# KiCad board protoboard-6x4-breakout.kicad_pcb (continued)
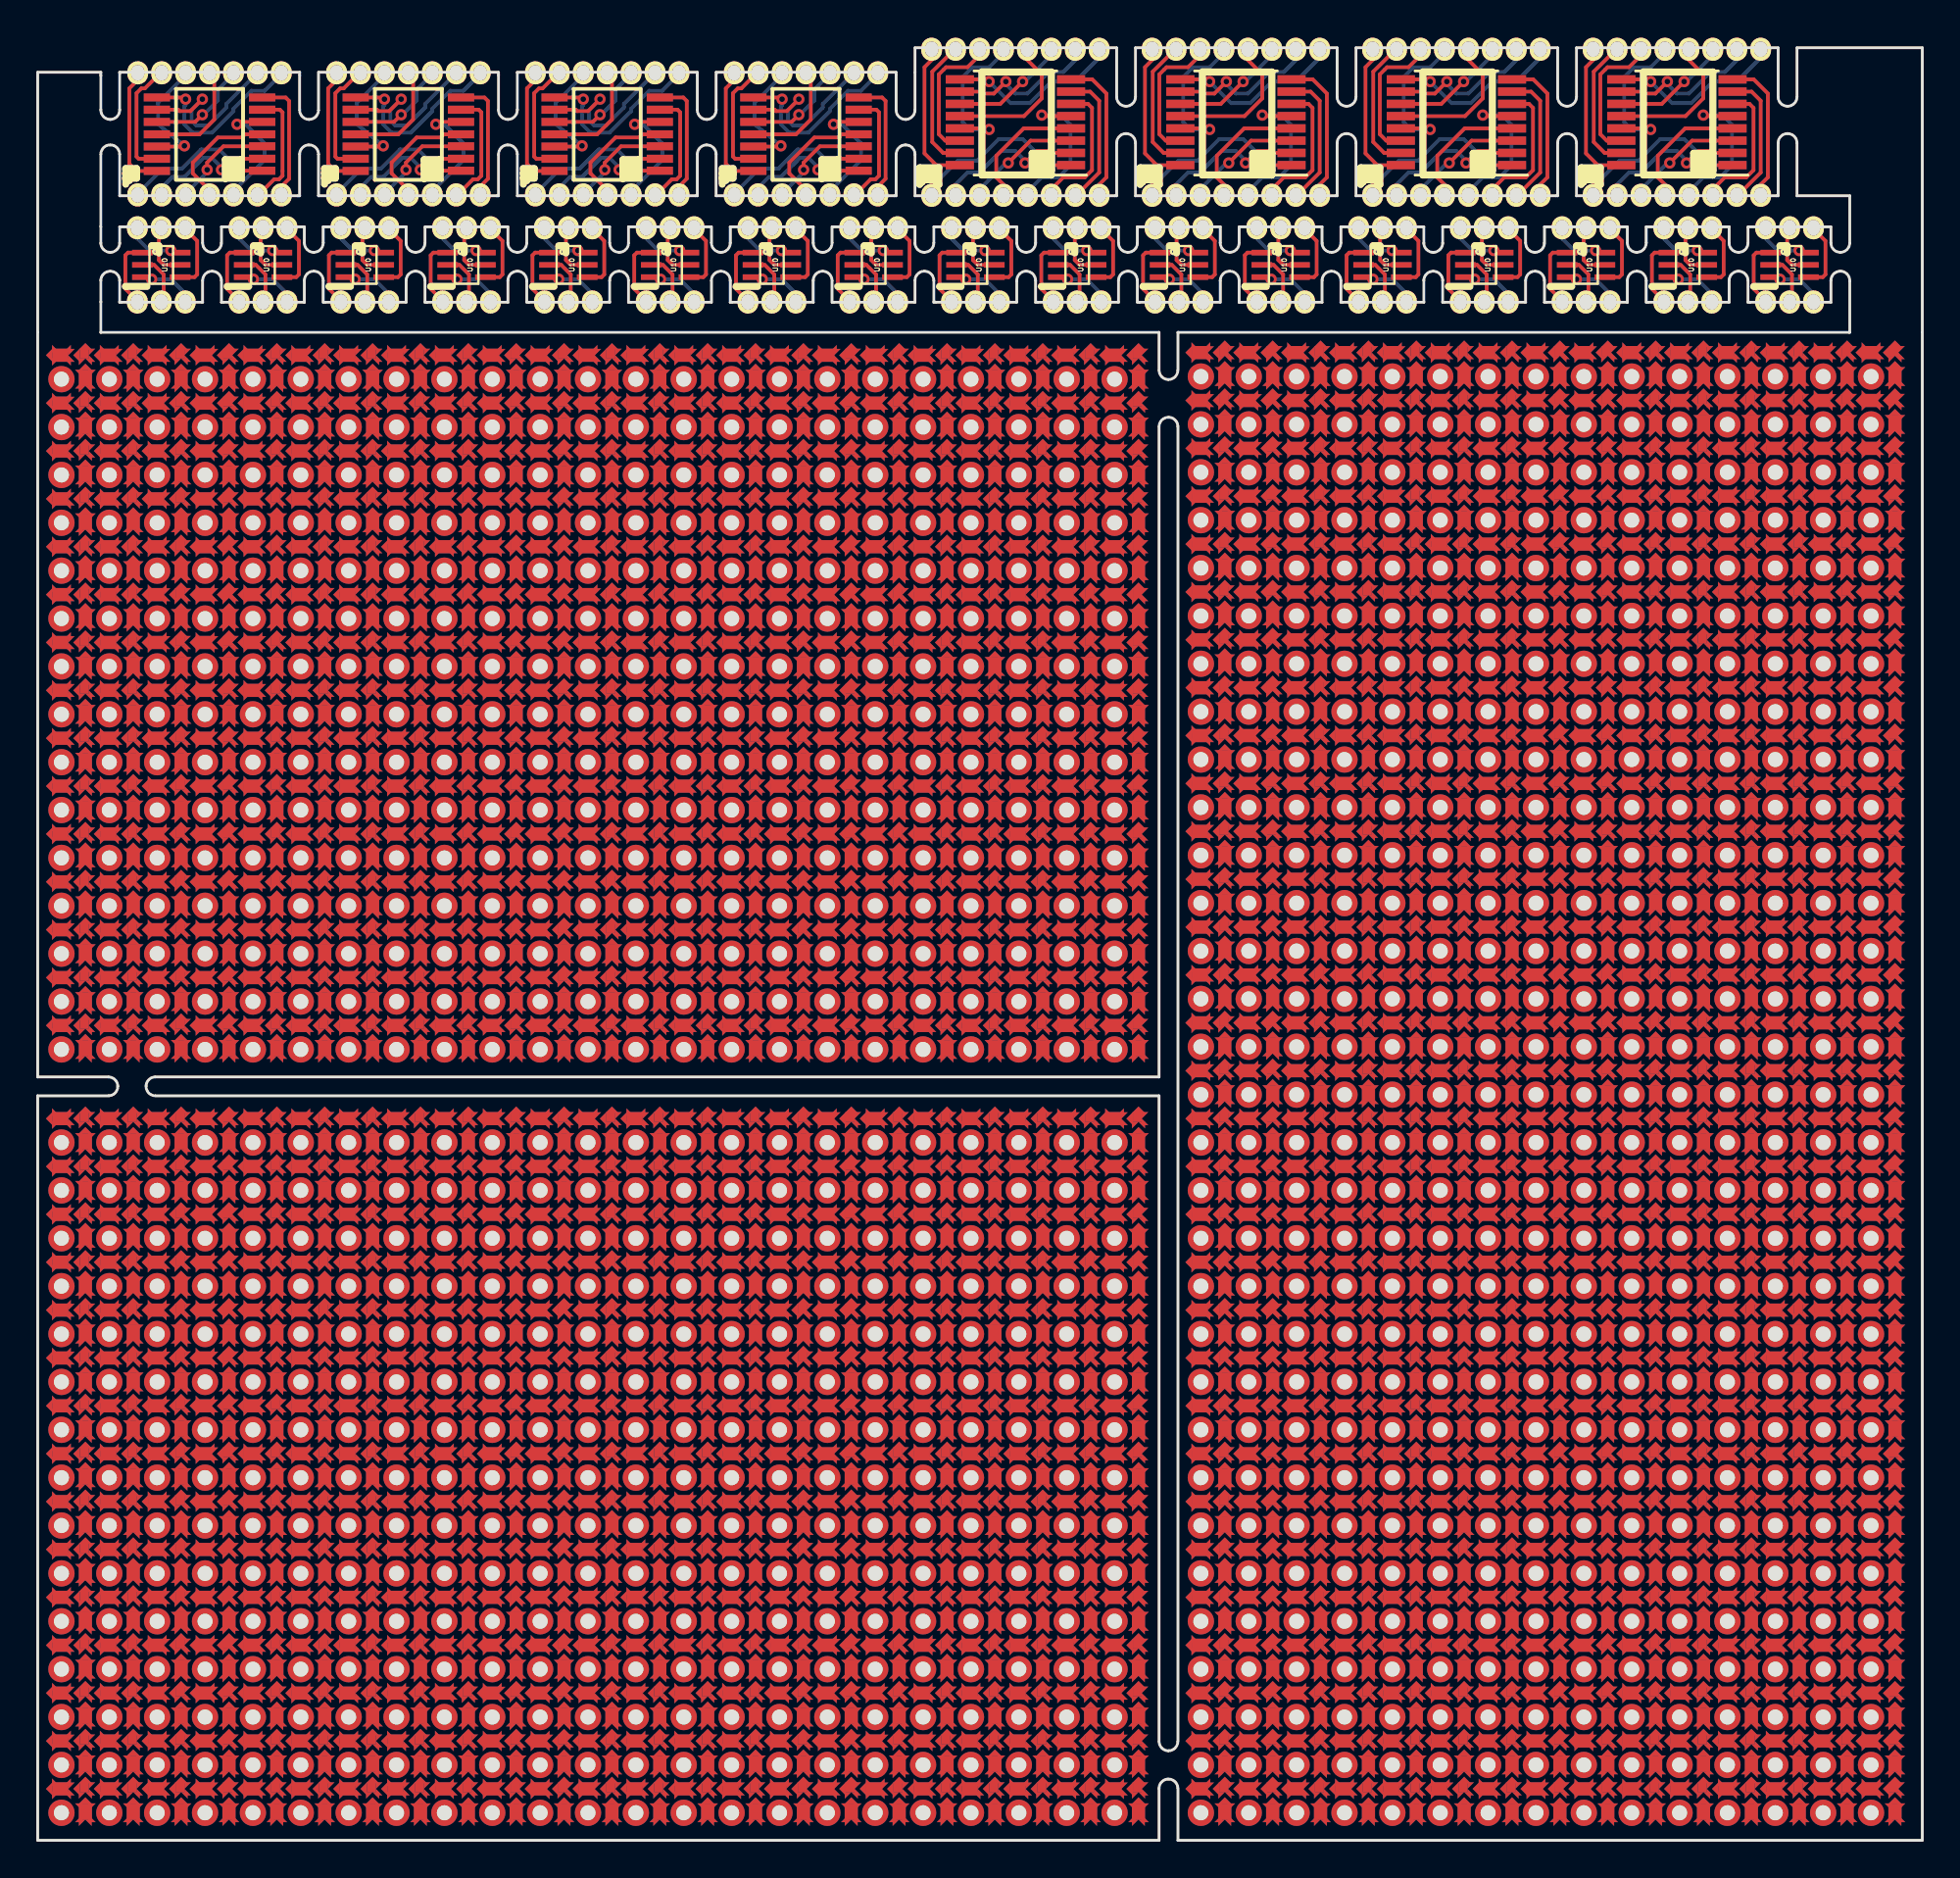
[diagram p0: board, top side]
## Placement (name value [footprint] x y rotation side) (continued)
REF**#3734  center-pad  [center-pad-spikes]  93.47 63.69 0 top
REF**#3735  pad-between  [pad-between-spiked]  93.47 62.42 0 top
REF**#3736  pad-between  [pad-between-spiked]  93.47 64.96 0 top
REF**#3737  pad-between  [pad-between-spiked]  94.74 63.69 90 top
REF**#3738  pad-between  [pad-between-spiked]  92.2 63.69 90 top
REF**#3739  -  [tht-0.8]  97.28 64.96 0 top
REF**#3740  -  [tht-0.8]  94.74 64.96 0 top
REF**#3741  -  [tht-0.8]  92.2 64.96 0 top
REF**#3742  -  [tht-0.8]  92.2 62.42 0 top
REF**#3743  -  [tht-0.8]  94.74 62.42 0 top
REF**#3744  -  [tht-0.8]  97.28 62.42 0 top
REF**#3745  -  [tht-0.8]  66.8 62.42 0 top
REF**#3746  -  [tht-0.8]  64.26 62.42 0 top
REF**#3747  -  [tht-0.8]  61.72 62.42 0 top
REF**#3748  -  [tht-0.8]  61.72 64.96 0 top
REF**#3749  -  [tht-0.8]  64.26 64.96 0 top
REF**#3750  -  [tht-0.8]  66.8 64.96 0 top
REF**#3751  pad-between  [pad-between-spiked]  61.72 63.69 90 top
REF**#3752  pad-between  [pad-between-spiked]  64.26 63.69 90 top
REF**#3753  pad-between  [pad-between-spiked]  62.99 64.96 0 top
REF**#3754  pad-between  [pad-between-spiked]  62.99 62.42 0 top
REF**#3755  center-pad  [center-pad-spikes]  62.99 63.69 0 top
REF**#3756  center-pad  [center-pad-spikes]  65.53 63.69 0 top
REF**#3757  pad-between  [pad-between-spiked]  65.53 62.42 0 top
REF**#3758  pad-between  [pad-between-spiked]  65.53 64.96 0 top
REF**#3759  pad-between  [pad-between-spiked]  66.8 63.69 90 top
REF**#3760  pad-between  [pad-between-spiked]  68.07 64.96 0 top
REF**#3761  pad-between  [pad-between-spiked]  68.07 62.42 0 top
REF**#3762  center-pad  [center-pad-spikes]  68.07 63.69 0 top
REF**#3763  center-pad  [center-pad-spikes]  68.07 66.23 0 top
REF**#3764  pad-between  [pad-between-spiked]  66.8 66.23 90 top
REF**#3765  center-pad  [center-pad-spikes]  65.53 66.23 0 top
REF**#3766  center-pad  [center-pad-spikes]  62.99 66.23 0 top
REF**#3767  pad-between  [pad-between-spiked]  64.26 66.23 90 top
REF**#3768  pad-between  [pad-between-spiked]  61.72 66.23 90 top
REF**#3769  pad-between  [pad-between-spiked]  69.34 66.23 90 top
REF**#3770  pad-between  [pad-between-spiked]  71.88 66.23 90 top
REF**#3771  center-pad  [center-pad-spikes]  70.61 66.23 0 top
REF**#3772  center-pad  [center-pad-spikes]  73.15 66.23 0 top
REF**#3773  pad-between  [pad-between-spiked]  74.42 66.23 90 top
REF**#3774  center-pad  [center-pad-spikes]  75.69 66.23 0 top
REF**#3775  center-pad  [center-pad-spikes]  75.69 63.69 0 top
REF**#3776  pad-between  [pad-between-spiked]  75.69 62.42 0 top
REF**#3777  pad-between  [pad-between-spiked]  75.69 64.96 0 top
REF**#3778  pad-between  [pad-between-spiked]  74.42 63.69 90 top
REF**#3779  pad-between  [pad-between-spiked]  73.15 64.96 0 top
REF**#3780  pad-between  [pad-between-spiked]  73.15 62.42 0 top
REF**#3781  center-pad  [center-pad-spikes]  73.15 63.69 0 top
REF**#3782  center-pad  [center-pad-spikes]  70.61 63.69 0 top
REF**#3783  pad-between  [pad-between-spiked]  70.61 62.42 0 top
REF**#3784  pad-between  [pad-between-spiked]  70.61 64.96 0 top
REF**#3785  pad-between  [pad-between-spiked]  71.88 63.69 90 top
REF**#3786  pad-between  [pad-between-spiked]  69.34 63.69 90 top
REF**#3787  -  [tht-0.8]  74.42 64.96 0 top
REF**#3788  -  [tht-0.8]  71.88 64.96 0 top
REF**#3789  -  [tht-0.8]  69.34 64.96 0 top
REF**#3790  -  [tht-0.8]  69.34 62.42 0 top
REF**#3791  -  [tht-0.8]  71.88 62.42 0 top
REF**#3792  -  [tht-0.8]  74.42 62.42 0 top
REF**#3793  -  [tht-0.8]  82.04 62.42 0 top
REF**#3794  -  [tht-0.8]  79.5 62.42 0 top
REF**#3795  -  [tht-0.8]  76.96 62.42 0 top
REF**#3796  -  [tht-0.8]  76.96 64.96 0 top
REF**#3797  -  [tht-0.8]  79.5 64.96 0 top
REF**#3798  -  [tht-0.8]  82.04 64.96 0 top
REF**#3799  pad-between  [pad-between-spiked]  76.96 63.69 90 top
REF**#3800  pad-between  [pad-between-spiked]  79.5 63.69 90 top
REF**#3801  pad-between  [pad-between-spiked]  78.23 64.96 0 top
REF**#3802  pad-between  [pad-between-spiked]  78.23 62.42 0 top
REF**#3803  center-pad  [center-pad-spikes]  78.23 63.69 0 top
REF**#3804  center-pad  [center-pad-spikes]  80.77 63.69 0 top
REF**#3805  pad-between  [pad-between-spiked]  80.77 62.42 0 top
REF**#3806  pad-between  [pad-between-spiked]  80.77 64.96 0 top
REF**#3807  pad-between  [pad-between-spiked]  82.04 63.69 90 top
REF**#3808  pad-between  [pad-between-spiked]  83.31 64.96 0 top
REF**#3809  pad-between  [pad-between-spiked]  83.31 62.42 0 top
REF**#3810  center-pad  [center-pad-spikes]  83.31 63.69 0 top
REF**#3811  center-pad  [center-pad-spikes]  83.31 66.23 0 top
REF**#3812  pad-between  [pad-between-spiked]  82.04 66.23 90 top
REF**#3813  center-pad  [center-pad-spikes]  80.77 66.23 0 top
REF**#3814  center-pad  [center-pad-spikes]  78.23 66.23 0 top
REF**#3815  pad-between  [pad-between-spiked]  79.5 66.23 90 top
REF**#3816  pad-between  [pad-between-spiked]  76.96 66.23 90 top
REF**#3817  pad-between  [pad-between-spiked]  84.58 66.23 90 top
REF**#3818  pad-between  [pad-between-spiked]  87.12 66.23 90 top
REF**#3819  center-pad  [center-pad-spikes]  85.85 66.23 0 top
REF**#3820  center-pad  [center-pad-spikes]  88.39 66.23 0 top
REF**#3821  pad-between  [pad-between-spiked]  89.66 66.23 90 top
REF**#3822  center-pad  [center-pad-spikes]  90.93 66.23 0 top
REF**#3823  center-pad  [center-pad-spikes]  90.93 63.69 0 top
REF**#3824  pad-between  [pad-between-spiked]  90.93 62.42 0 top
REF**#3825  pad-between  [pad-between-spiked]  90.93 64.96 0 top
REF**#3826  pad-between  [pad-between-spiked]  89.66 63.69 90 top
REF**#3827  pad-between  [pad-between-spiked]  88.39 64.96 0 top
REF**#3828  pad-between  [pad-between-spiked]  88.39 62.42 0 top
REF**#3829  center-pad  [center-pad-spikes]  88.39 63.69 0 top
REF**#3830  center-pad  [center-pad-spikes]  85.85 63.69 0 top
REF**#3831  pad-between  [pad-between-spiked]  85.85 62.42 0 top
REF**#3832  pad-between  [pad-between-spiked]  85.85 64.96 0 top
REF**#3833  pad-between  [pad-between-spiked]  87.12 63.69 90 top
REF**#3834  pad-between  [pad-between-spiked]  84.58 63.69 90 top
REF**#3835  -  [tht-0.8]  89.66 64.96 0 top
REF**#3836  -  [tht-0.8]  87.12 64.96 0 top
REF**#3837  -  [tht-0.8]  84.58 64.96 0 top
REF**#3838  -  [tht-0.8]  84.58 62.42 0 top
REF**#3839  -  [tht-0.8]  87.12 62.42 0 top
REF**#3840  -  [tht-0.8]  89.66 62.42 0 top
REF**#3841  -  [tht-0.8]  89.66 67.5 0 top
REF**#3842  -  [tht-0.8]  87.12 67.5 0 top
REF**#3843  -  [tht-0.8]  84.58 67.5 0 top
REF**#3844  -  [tht-0.8]  84.58 70.04 0 top
REF**#3845  -  [tht-0.8]  87.12 70.04 0 top
REF**#3846  -  [tht-0.8]  89.66 70.04 0 top
REF**#3847  pad-between  [pad-between-spiked]  84.58 68.77 90 top
REF**#3848  pad-between  [pad-between-spiked]  87.12 68.77 90 top
REF**#3849  pad-between  [pad-between-spiked]  85.85 70.04 0 top
REF**#3850  pad-between  [pad-between-spiked]  85.85 67.5 0 top
REF**#3851  center-pad  [center-pad-spikes]  85.85 68.77 0 top
REF**#3852  center-pad  [center-pad-spikes]  88.39 68.77 0 top
REF**#3853  pad-between  [pad-between-spiked]  88.39 67.5 0 top
REF**#3854  pad-between  [pad-between-spiked]  88.39 70.04 0 top
REF**#3855  pad-between  [pad-between-spiked]  89.66 68.77 90 top
REF**#3856  pad-between  [pad-between-spiked]  90.93 70.04 0 top
REF**#3857  pad-between  [pad-between-spiked]  90.93 67.5 0 top
REF**#3858  center-pad  [center-pad-spikes]  90.93 68.77 0 top
REF**#3859  center-pad  [center-pad-spikes]  90.93 71.31 0 top
REF**#3860  pad-between  [pad-between-spiked]  89.66 71.31 90 top
REF**#3861  center-pad  [center-pad-spikes]  88.39 71.31 0 top
REF**#3862  center-pad  [center-pad-spikes]  85.85 71.31 0 top
REF**#3863  pad-between  [pad-between-spiked]  87.12 71.31 90 top
REF**#3864  pad-between  [pad-between-spiked]  84.58 71.31 90 top
REF**#3865  pad-between  [pad-between-spiked]  76.96 71.31 90 top
REF**#3866  pad-between  [pad-between-spiked]  79.5 71.31 90 top
REF**#3867  center-pad  [center-pad-spikes]  78.23 71.31 0 top
REF**#3868  center-pad  [center-pad-spikes]  80.77 71.31 0 top
REF**#3869  pad-between  [pad-between-spiked]  82.04 71.31 90 top
REF**#3870  center-pad  [center-pad-spikes]  83.31 71.31 0 top
REF**#3871  center-pad  [center-pad-spikes]  83.31 68.77 0 top
REF**#3872  pad-between  [pad-between-spiked]  83.31 67.5 0 top
REF**#3873  pad-between  [pad-between-spiked]  83.31 70.04 0 top
REF**#3874  pad-between  [pad-between-spiked]  82.04 68.77 90 top
REF**#3875  pad-between  [pad-between-spiked]  80.77 70.04 0 top
REF**#3876  pad-between  [pad-between-spiked]  80.77 67.5 0 top
REF**#3877  center-pad  [center-pad-spikes]  80.77 68.77 0 top
REF**#3878  center-pad  [center-pad-spikes]  78.23 68.77 0 top
REF**#3879  pad-between  [pad-between-spiked]  78.23 67.5 0 top
REF**#3880  pad-between  [pad-between-spiked]  78.23 70.04 0 top
REF**#3881  pad-between  [pad-between-spiked]  79.5 68.77 90 top
REF**#3882  pad-between  [pad-between-spiked]  76.96 68.77 90 top
REF**#3883  -  [tht-0.8]  82.04 70.04 0 top
REF**#3884  -  [tht-0.8]  79.5 70.04 0 top
REF**#3885  -  [tht-0.8]  76.96 70.04 0 top
REF**#3886  -  [tht-0.8]  76.96 67.5 0 top
REF**#3887  -  [tht-0.8]  79.5 67.5 0 top
REF**#3888  -  [tht-0.8]  82.04 67.5 0 top
REF**#3889  -  [tht-0.8]  74.42 67.5 0 top
REF**#3890  -  [tht-0.8]  71.88 67.5 0 top
REF**#3891  -  [tht-0.8]  69.34 67.5 0 top
REF**#3892  -  [tht-0.8]  69.34 70.04 0 top
REF**#3893  -  [tht-0.8]  71.88 70.04 0 top
REF**#3894  -  [tht-0.8]  74.42 70.04 0 top
REF**#3895  pad-between  [pad-between-spiked]  69.34 68.77 90 top
REF**#3896  pad-between  [pad-between-spiked]  71.88 68.77 90 top
REF**#3897  pad-between  [pad-between-spiked]  70.61 70.04 0 top
REF**#3898  pad-between  [pad-between-spiked]  70.61 67.5 0 top
REF**#3899  center-pad  [center-pad-spikes]  70.61 68.77 0 top
REF**#3900  center-pad  [center-pad-spikes]  73.15 68.77 0 top
REF**#3901  pad-between  [pad-between-spiked]  73.15 67.5 0 top
REF**#3902  pad-between  [pad-between-spiked]  73.15 70.04 0 top
REF**#3903  pad-between  [pad-between-spiked]  74.42 68.77 90 top
REF**#3904  pad-between  [pad-between-spiked]  75.69 70.04 0 top
REF**#3905  pad-between  [pad-between-spiked]  75.69 67.5 0 top
REF**#3906  center-pad  [center-pad-spikes]  75.69 68.77 0 top
REF**#3907  center-pad  [center-pad-spikes]  75.69 71.31 0 top
REF**#3908  pad-between  [pad-between-spiked]  74.42 71.31 90 top
REF**#3909  center-pad  [center-pad-spikes]  73.15 71.31 0 top
REF**#3910  center-pad  [center-pad-spikes]  70.61 71.31 0 top
REF**#3911  pad-between  [pad-between-spiked]  71.88 71.31 90 top
REF**#3912  pad-between  [pad-between-spiked]  69.34 71.31 90 top
REF**#3913  pad-between  [pad-between-spiked]  61.72 71.31 90 top
REF**#3914  pad-between  [pad-between-spiked]  64.26 71.31 90 top
REF**#3915  center-pad  [center-pad-spikes]  62.99 71.31 0 top
REF**#3916  center-pad  [center-pad-spikes]  65.53 71.31 0 top
REF**#3917  pad-between  [pad-between-spiked]  66.8 71.31 90 top
REF**#3918  center-pad  [center-pad-spikes]  68.07 71.31 0 top
REF**#3919  center-pad  [center-pad-spikes]  68.07 68.77 0 top
REF**#3920  pad-between  [pad-between-spiked]  68.07 67.5 0 top
REF**#3921  pad-between  [pad-between-spiked]  68.07 70.04 0 top
REF**#3922  pad-between  [pad-between-spiked]  66.8 68.77 90 top
REF**#3923  pad-between  [pad-between-spiked]  65.53 70.04 0 top
REF**#3924  pad-between  [pad-between-spiked]  65.53 67.5 0 top
REF**#3925  center-pad  [center-pad-spikes]  65.53 68.77 0 top
REF**#3926  center-pad  [center-pad-spikes]  62.99 68.77 0 top
REF**#3927  pad-between  [pad-between-spiked]  62.99 67.5 0 top
REF**#3928  pad-between  [pad-between-spiked]  62.99 70.04 0 top
REF**#3929  pad-between  [pad-between-spiked]  64.26 68.77 90 top
REF**#3930  pad-between  [pad-between-spiked]  61.72 68.77 90 top
REF**#3931  -  [tht-0.8]  66.8 70.04 0 top
REF**#3932  -  [tht-0.8]  64.26 70.04 0 top
REF**#3933  -  [tht-0.8]  61.72 70.04 0 top
REF**#3934  -  [tht-0.8]  61.72 67.5 0 top
REF**#3935  -  [tht-0.8]  64.26 67.5 0 top
REF**#3936  -  [tht-0.8]  66.8 67.5 0 top
REF**#3937  -  [tht-0.8]  97.28 67.5 0 top
REF**#3938  -  [tht-0.8]  94.74 67.5 0 top
REF**#3939  -  [tht-0.8]  92.2 67.5 0 top
REF**#3940  -  [tht-0.8]  92.2 70.04 0 top
REF**#3941  -  [tht-0.8]  94.74 70.04 0 top
REF**#3942  -  [tht-0.8]  97.28 70.04 0 top
REF**#3943  pad-between  [pad-between-spiked]  92.2 68.77 90 top
REF**#3944  pad-between  [pad-between-spiked]  94.74 68.77 90 top
REF**#3945  pad-between  [pad-between-spiked]  93.47 70.04 0 top
REF**#3946  pad-between  [pad-between-spiked]  93.47 67.5 0 top
REF**#3947  center-pad  [center-pad-spikes]  93.47 68.77 0 top
REF**#3948  center-pad  [center-pad-spikes]  96.01 68.77 0 top
REF**#3949  pad-between  [pad-between-spiked]  96.01 67.5 0 top
REF**#3950  pad-between  [pad-between-spiked]  96.01 70.04 0 top
REF**#3951  pad-between  [pad-between-spiked]  97.28 68.77 90 top
REF**#3952  pad-between  [pad-between-spiked]  98.55 70.04 0 top
REF**#3953  pad-between  [pad-between-spiked]  98.55 67.5 0 top
REF**#3954  center-pad  [center-pad-spikes]  98.55 68.77 0 top
REF**#3955  center-pad  [center-pad-spikes]  98.55 71.31 0 top
REF**#3956  pad-between  [pad-between-spiked]  97.28 71.31 90 top
REF**#3957  center-pad  [center-pad-spikes]  96.01 71.31 0 top
REF**#3958  center-pad  [center-pad-spikes]  93.47 71.31 0 top
REF**#3959  pad-between  [pad-between-spiked]  94.74 71.31 90 top
REF**#3960  pad-between  [pad-between-spiked]  92.2 71.31 90 top
REF**#3961  center-pad  [center-pad-spikes]  98.55 78.93 0 top
REF**#3962  pad-between  [pad-between-spiked]  98.55 77.66 0 top
REF**#3963  pad-between  [pad-between-spiked]  97.28 78.93 90 top
REF**#3964  pad-between  [pad-between-spiked]  96.01 77.66 0 top
REF**#3965  center-pad  [center-pad-spikes]  96.01 78.93 0 top
REF**#3966  center-pad  [center-pad-spikes]  93.47 78.93 0 top
REF**#3967  pad-between  [pad-between-spiked]  93.47 77.66 0 top
REF**#3968  pad-between  [pad-between-spiked]  94.74 78.93 90 top
REF**#3969  pad-between  [pad-between-spiked]  92.2 78.93 90 top
REF**#3970  -  [tht-0.8]  92.2 77.66 0 top
REF**#3971  -  [tht-0.8]  94.74 77.66 0 top
REF**#3972  -  [tht-0.8]  97.28 77.66 0 top
REF**#3973  -  [tht-0.8]  66.8 77.66 0 top
REF**#3974  -  [tht-0.8]  64.26 77.66 0 top
REF**#3975  -  [tht-0.8]  61.72 77.66 0 top
REF**#3976  pad-between  [pad-between-spiked]  61.72 78.93 90 top
REF**#3977  pad-between  [pad-between-spiked]  64.26 78.93 90 top
REF**#3978  pad-between  [pad-between-spiked]  62.99 77.66 0 top
REF**#3979  center-pad  [center-pad-spikes]  62.99 78.93 0 top
REF**#3980  center-pad  [center-pad-spikes]  65.53 78.93 0 top
REF**#3981  pad-between  [pad-between-spiked]  65.53 77.66 0 top
REF**#3982  pad-between  [pad-between-spiked]  66.8 78.93 90 top
REF**#3983  pad-between  [pad-between-spiked]  68.07 77.66 0 top
REF**#3984  center-pad  [center-pad-spikes]  68.07 78.93 0 top
REF**#3985  center-pad  [center-pad-spikes]  75.69 78.93 0 top
REF**#3986  pad-between  [pad-between-spiked]  75.69 77.66 0 top
REF**#3987  pad-between  [pad-between-spiked]  74.42 78.93 90 top
REF**#3988  pad-between  [pad-between-spiked]  73.15 77.66 0 top
REF**#3989  center-pad  [center-pad-spikes]  73.15 78.93 0 top
REF**#3990  center-pad  [center-pad-spikes]  70.61 78.93 0 top
REF**#3991  pad-between  [pad-between-spiked]  70.61 77.66 0 top
REF**#3992  pad-between  [pad-between-spiked]  71.88 78.93 90 top
REF**#3993  pad-between  [pad-between-spiked]  69.34 78.93 90 top
REF**#3994  -  [tht-0.8]  69.34 77.66 0 top
REF**#3995  -  [tht-0.8]  71.88 77.66 0 top
REF**#3996  -  [tht-0.8]  74.42 77.66 0 top
REF**#3997  -  [tht-0.8]  82.04 77.66 0 top
REF**#3998  -  [tht-0.8]  79.5 77.66 0 top
REF**#3999  -  [tht-0.8]  76.96 77.66 0 top
REF**#4000  pad-between  [pad-between-spiked]  76.96 78.93 90 top
REF**#4001  pad-between  [pad-between-spiked]  79.5 78.93 90 top
REF**#4002  pad-between  [pad-between-spiked]  78.23 77.66 0 top
REF**#4003  center-pad  [center-pad-spikes]  78.23 78.93 0 top
REF**#4004  center-pad  [center-pad-spikes]  80.77 78.93 0 top
REF**#4005  pad-between  [pad-between-spiked]  80.77 77.66 0 top
REF**#4006  pad-between  [pad-between-spiked]  82.04 78.93 90 top
REF**#4007  pad-between  [pad-between-spiked]  83.31 77.66 0 top
REF**#4008  center-pad  [center-pad-spikes]  83.31 78.93 0 top
REF**#4009  center-pad  [center-pad-spikes]  90.93 78.93 0 top
REF**#4010  pad-between  [pad-between-spiked]  90.93 77.66 0 top
REF**#4011  pad-between  [pad-between-spiked]  89.66 78.93 90 top
REF**#4012  pad-between  [pad-between-spiked]  88.39 77.66 0 top
REF**#4013  center-pad  [center-pad-spikes]  88.39 78.93 0 top
REF**#4014  center-pad  [center-pad-spikes]  85.85 78.93 0 top
REF**#4015  pad-between  [pad-between-spiked]  85.85 77.66 0 top
REF**#4016  pad-between  [pad-between-spiked]  87.12 78.93 90 top
REF**#4017  pad-between  [pad-between-spiked]  84.58 78.93 90 top
REF**#4018  -  [tht-0.8]  84.58 77.66 0 top
REF**#4019  -  [tht-0.8]  87.12 77.66 0 top
REF**#4020  -  [tht-0.8]  89.66 77.66 0 top
REF**#4021  -  [tht-0.8]  89.66 72.58 0 top
REF**#4022  -  [tht-0.8]  87.12 72.58 0 top
REF**#4023  -  [tht-0.8]  84.58 72.58 0 top
REF**#4024  -  [tht-0.8]  84.58 75.12 0 top
REF**#4025  -  [tht-0.8]  87.12 75.12 0 top
REF**#4026  -  [tht-0.8]  89.66 75.12 0 top
REF**#4027  pad-between  [pad-between-spiked]  84.58 73.85 90 top
REF**#4028  pad-between  [pad-between-spiked]  87.12 73.85 90 top
REF**#4029  pad-between  [pad-between-spiked]  85.85 75.12 0 top
REF**#4030  pad-between  [pad-between-spiked]  85.85 72.58 0 top
REF**#4031  center-pad  [center-pad-spikes]  85.85 73.85 0 top
REF**#4032  center-pad  [center-pad-spikes]  88.39 73.85 0 top
REF**#4033  pad-between  [pad-between-spiked]  88.39 72.58 0 top
REF**#4034  pad-between  [pad-between-spiked]  88.39 75.12 0 top
REF**#4035  pad-between  [pad-between-spiked]  89.66 73.85 90 top
REF**#4036  pad-between  [pad-between-spiked]  90.93 75.12 0 top
REF**#4037  pad-between  [pad-between-spiked]  90.93 72.58 0 top
REF**#4038  center-pad  [center-pad-spikes]  90.93 73.85 0 top
REF**#4039  center-pad  [center-pad-spikes]  90.93 76.39 0 top
REF**#4040  pad-between  [pad-between-spiked]  89.66 76.39 90 top
REF**#4041  center-pad  [center-pad-spikes]  88.39 76.39 0 top
REF**#4042  center-pad  [center-pad-spikes]  85.85 76.39 0 top
REF**#4043  pad-between  [pad-between-spiked]  87.12 76.39 90 top
REF**#4044  pad-between  [pad-between-spiked]  84.58 76.39 90 top
REF**#4045  pad-between  [pad-between-spiked]  76.96 76.39 90 top
REF**#4046  pad-between  [pad-between-spiked]  79.5 76.39 90 top
REF**#4047  center-pad  [center-pad-spikes]  78.23 76.39 0 top
REF**#4048  center-pad  [center-pad-spikes]  80.77 76.39 0 top
REF**#4049  pad-between  [pad-between-spiked]  82.04 76.39 90 top
REF**#4050  center-pad  [center-pad-spikes]  83.31 76.39 0 top
REF**#4051  center-pad  [center-pad-spikes]  83.31 73.85 0 top
REF**#4052  pad-between  [pad-between-spiked]  83.31 72.58 0 top
REF**#4053  pad-between  [pad-between-spiked]  83.31 75.12 0 top
REF**#4054  pad-between  [pad-between-spiked]  82.04 73.85 90 top
REF**#4055  pad-between  [pad-between-spiked]  80.77 75.12 0 top
REF**#4056  pad-between  [pad-between-spiked]  80.77 72.58 0 top
REF**#4057  center-pad  [center-pad-spikes]  80.77 73.85 0 top
REF**#4058  center-pad  [center-pad-spikes]  78.23 73.85 0 top
REF**#4059  pad-between  [pad-between-spiked]  78.23 72.58 0 top
REF**#4060  pad-between  [pad-between-spiked]  78.23 75.12 0 top
REF**#4061  pad-between  [pad-between-spiked]  79.5 73.85 90 top
REF**#4062  pad-between  [pad-between-spiked]  76.96 73.85 90 top
REF**#4063  -  [tht-0.8]  82.04 75.12 0 top
REF**#4064  -  [tht-0.8]  79.5 75.12 0 top
REF**#4065  -  [tht-0.8]  76.96 75.12 0 top
REF**#4066  -  [tht-0.8]  76.96 72.58 0 top
REF**#4067  -  [tht-0.8]  79.5 72.58 0 top
REF**#4068  -  [tht-0.8]  82.04 72.58 0 top
REF**#4069  -  [tht-0.8]  74.42 72.58 0 top
REF**#4070  -  [tht-0.8]  71.88 72.58 0 top
REF**#4071  -  [tht-0.8]  69.34 72.58 0 top
REF**#4072  -  [tht-0.8]  69.34 75.12 0 top
REF**#4073  -  [tht-0.8]  71.88 75.12 0 top
REF**#4074  -  [tht-0.8]  74.42 75.12 0 top
REF**#4075  pad-between  [pad-between-spiked]  69.34 73.85 90 top
REF**#4076  pad-between  [pad-between-spiked]  71.88 73.85 90 top
REF**#4077  pad-between  [pad-between-spiked]  70.61 75.12 0 top
REF**#4078  pad-between  [pad-between-spiked]  70.61 72.58 0 top
REF**#4079  center-pad  [center-pad-spikes]  70.61 73.85 0 top
REF**#4080  center-pad  [center-pad-spikes]  73.15 73.85 0 top
REF**#4081  pad-between  [pad-between-spiked]  73.15 72.58 0 top
REF**#4082  pad-between  [pad-between-spiked]  73.15 75.12 0 top
REF**#4083  pad-between  [pad-between-spiked]  74.42 73.85 90 top
REF**#4084  pad-between  [pad-between-spiked]  75.69 75.12 0 top
REF**#4085  pad-between  [pad-between-spiked]  75.69 72.58 0 top
REF**#4086  center-pad  [center-pad-spikes]  75.69 73.85 0 top
REF**#4087  center-pad  [center-pad-spikes]  75.69 76.39 0 top
REF**#4088  pad-between  [pad-between-spiked]  74.42 76.39 90 top
REF**#4089  center-pad  [center-pad-spikes]  73.15 76.39 0 top
REF**#4090  center-pad  [center-pad-spikes]  70.61 76.39 0 top
REF**#4091  pad-between  [pad-between-spiked]  71.88 76.39 90 top
REF**#4092  pad-between  [pad-between-spiked]  69.34 76.39 90 top
REF**#4093  pad-between  [pad-between-spiked]  61.72 76.39 90 top
REF**#4094  pad-between  [pad-between-spiked]  64.26 76.39 90 top
REF**#4095  center-pad  [center-pad-spikes]  62.99 76.39 0 top
REF**#4096  center-pad  [center-pad-spikes]  65.53 76.39 0 top
REF**#4097  pad-between  [pad-between-spiked]  66.8 76.39 90 top
REF**#4098  center-pad  [center-pad-spikes]  68.07 76.39 0 top
REF**#4099  center-pad  [center-pad-spikes]  68.07 73.85 0 top
REF**#4100  pad-between  [pad-between-spiked]  68.07 72.58 0 top
REF**#4101  pad-between  [pad-between-spiked]  68.07 75.12 0 top
REF**#4102  pad-between  [pad-between-spiked]  66.8 73.85 90 top
REF**#4103  pad-between  [pad-between-spiked]  65.53 75.12 0 top
REF**#4104  pad-between  [pad-between-spiked]  65.53 72.58 0 top
REF**#4105  center-pad  [center-pad-spikes]  65.53 73.85 0 top
REF**#4106  center-pad  [center-pad-spikes]  62.99 73.85 0 top
REF**#4107  pad-between  [pad-between-spiked]  62.99 72.58 0 top
REF**#4108  pad-between  [pad-between-spiked]  62.99 75.12 0 top
REF**#4109  pad-between  [pad-between-spiked]  64.26 73.85 90 top
REF**#4110  pad-between  [pad-between-spiked]  61.72 73.85 90 top
REF**#4111  -  [tht-0.8]  66.8 75.12 0 top
REF**#4112  -  [tht-0.8]  64.26 75.12 0 top
REF**#4113  -  [tht-0.8]  61.72 75.12 0 top
REF**#4114  -  [tht-0.8]  61.72 72.58 0 top
REF**#4115  -  [tht-0.8]  64.26 72.58 0 top
REF**#4116  -  [tht-0.8]  66.8 72.58 0 top
REF**#4117  -  [tht-0.8]  97.28 72.58 0 top
REF**#4118  -  [tht-0.8]  94.74 72.58 0 top
REF**#4119  -  [tht-0.8]  92.2 72.58 0 top
REF**#4120  -  [tht-0.8]  92.2 75.12 0 top
REF**#4121  -  [tht-0.8]  94.74 75.12 0 top
REF**#4122  -  [tht-0.8]  97.28 75.12 0 top
REF**#4123  pad-between  [pad-between-spiked]  92.2 73.85 90 top
REF**#4124  pad-between  [pad-between-spiked]  94.74 73.85 90 top
REF**#4125  pad-between  [pad-between-spiked]  93.47 75.12 0 top
REF**#4126  pad-between  [pad-between-spiked]  93.47 72.58 0 top
REF**#4127  center-pad  [center-pad-spikes]  93.47 73.85 0 top
REF**#4128  center-pad  [center-pad-spikes]  96.01 73.85 0 top
REF**#4129  pad-between  [pad-between-spiked]  96.01 72.58 0 top
REF**#4130  pad-between  [pad-between-spiked]  96.01 75.12 0 top
REF**#4131  pad-between  [pad-between-spiked]  97.28 73.85 90 top
REF**#4132  pad-between  [pad-between-spiked]  98.55 75.12 0 top
REF**#4133  pad-between  [pad-between-spiked]  98.55 72.58 0 top
REF**#4134  center-pad  [center-pad-spikes]  98.55 73.85 0 top
REF**#4135  center-pad  [center-pad-spikes]  98.55 76.39 0 top
REF**#4136  pad-between  [pad-between-spiked]  97.28 76.39 90 top
REF**#4137  center-pad  [center-pad-spikes]  96.01 76.39 0 top
REF**#4138  center-pad  [center-pad-spikes]  93.47 76.39 0 top
REF**#4139  pad-between  [pad-between-spiked]  94.74 76.39 90 top
REF**#4140  pad-between  [pad-between-spiked]  92.2 76.39 90 top
REF**#4141  pad-between  [pad-between-spiked]  92.2 56.07 90 top
REF**#4142  pad-between  [pad-between-spiked]  94.74 56.07 90 top
REF**#4143  center-pad  [center-pad-spikes]  93.47 56.07 0 top
REF**#4144  center-pad  [center-pad-spikes]  96.01 56.07 0 top
REF**#4145  pad-between  [pad-between-spiked]  97.28 56.07 90 top
REF**#4146  center-pad  [center-pad-spikes]  98.55 56.07 0 top
REF**#4147  center-pad  [center-pad-spikes]  98.55 53.53 0 top
REF**#4148  pad-between  [pad-between-spiked]  98.55 52.26 0 top
REF**#4149  pad-between  [pad-between-spiked]  98.55 54.8 0 top
REF**#4150  pad-between  [pad-between-spiked]  97.28 53.53 90 top
REF**#4151  pad-between  [pad-between-spiked]  96.01 54.8 0 top
REF**#4152  pad-between  [pad-between-spiked]  96.01 52.26 0 top
REF**#4153  center-pad  [center-pad-spikes]  96.01 53.53 0 top
